# Altium PCB LightLink_V3 - Copy.PcbDoc (part 1 of 3)
Units mm, origin at the board's own origin, x right, y up, seen from the top; angles counter-clockwise.
Board outline 322.5 x 227.5 mm, 2 copper layers (Top Layer, Bottom Layer); 300 components, 236 nets, 1372 pads, 120 vias.
Unrouted connection lines stored in the file: 569.
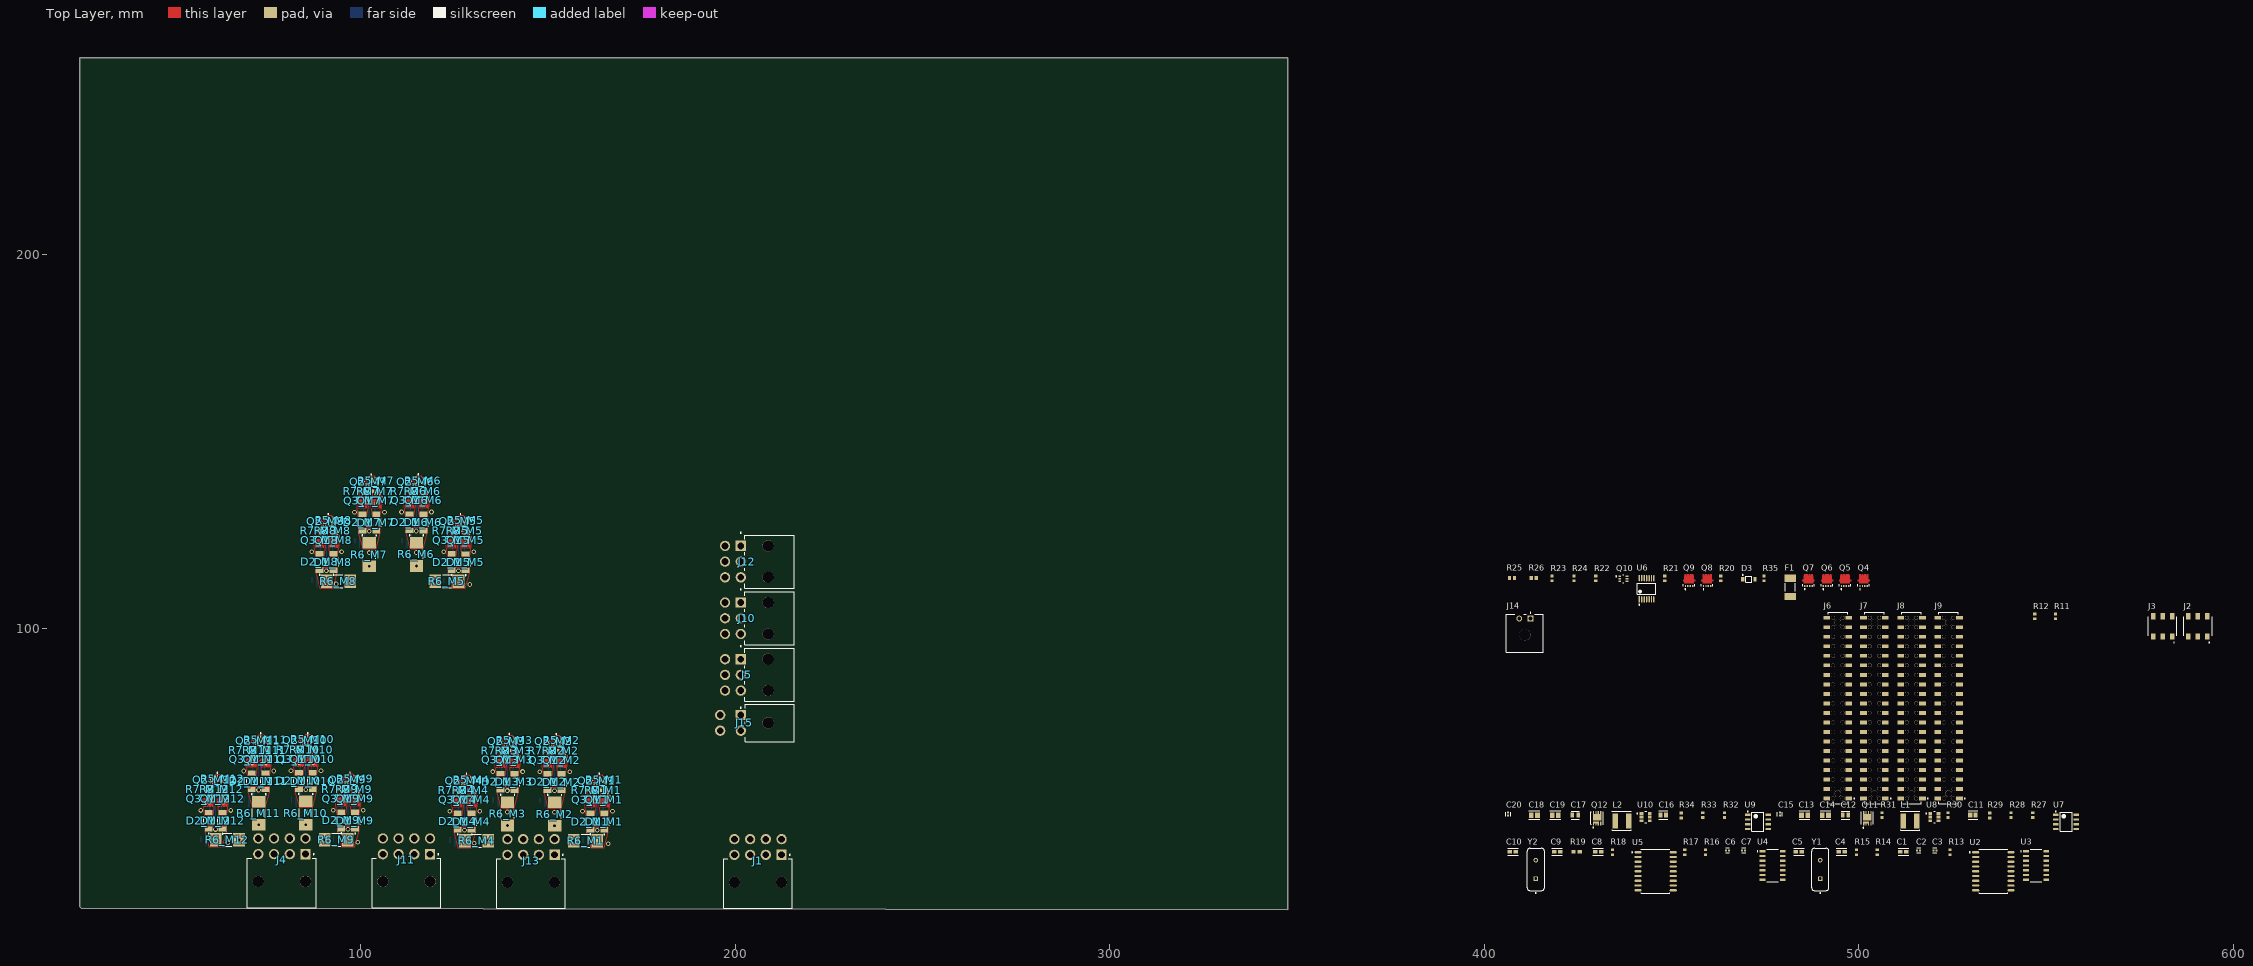
[diagram p0: Top Layer view]
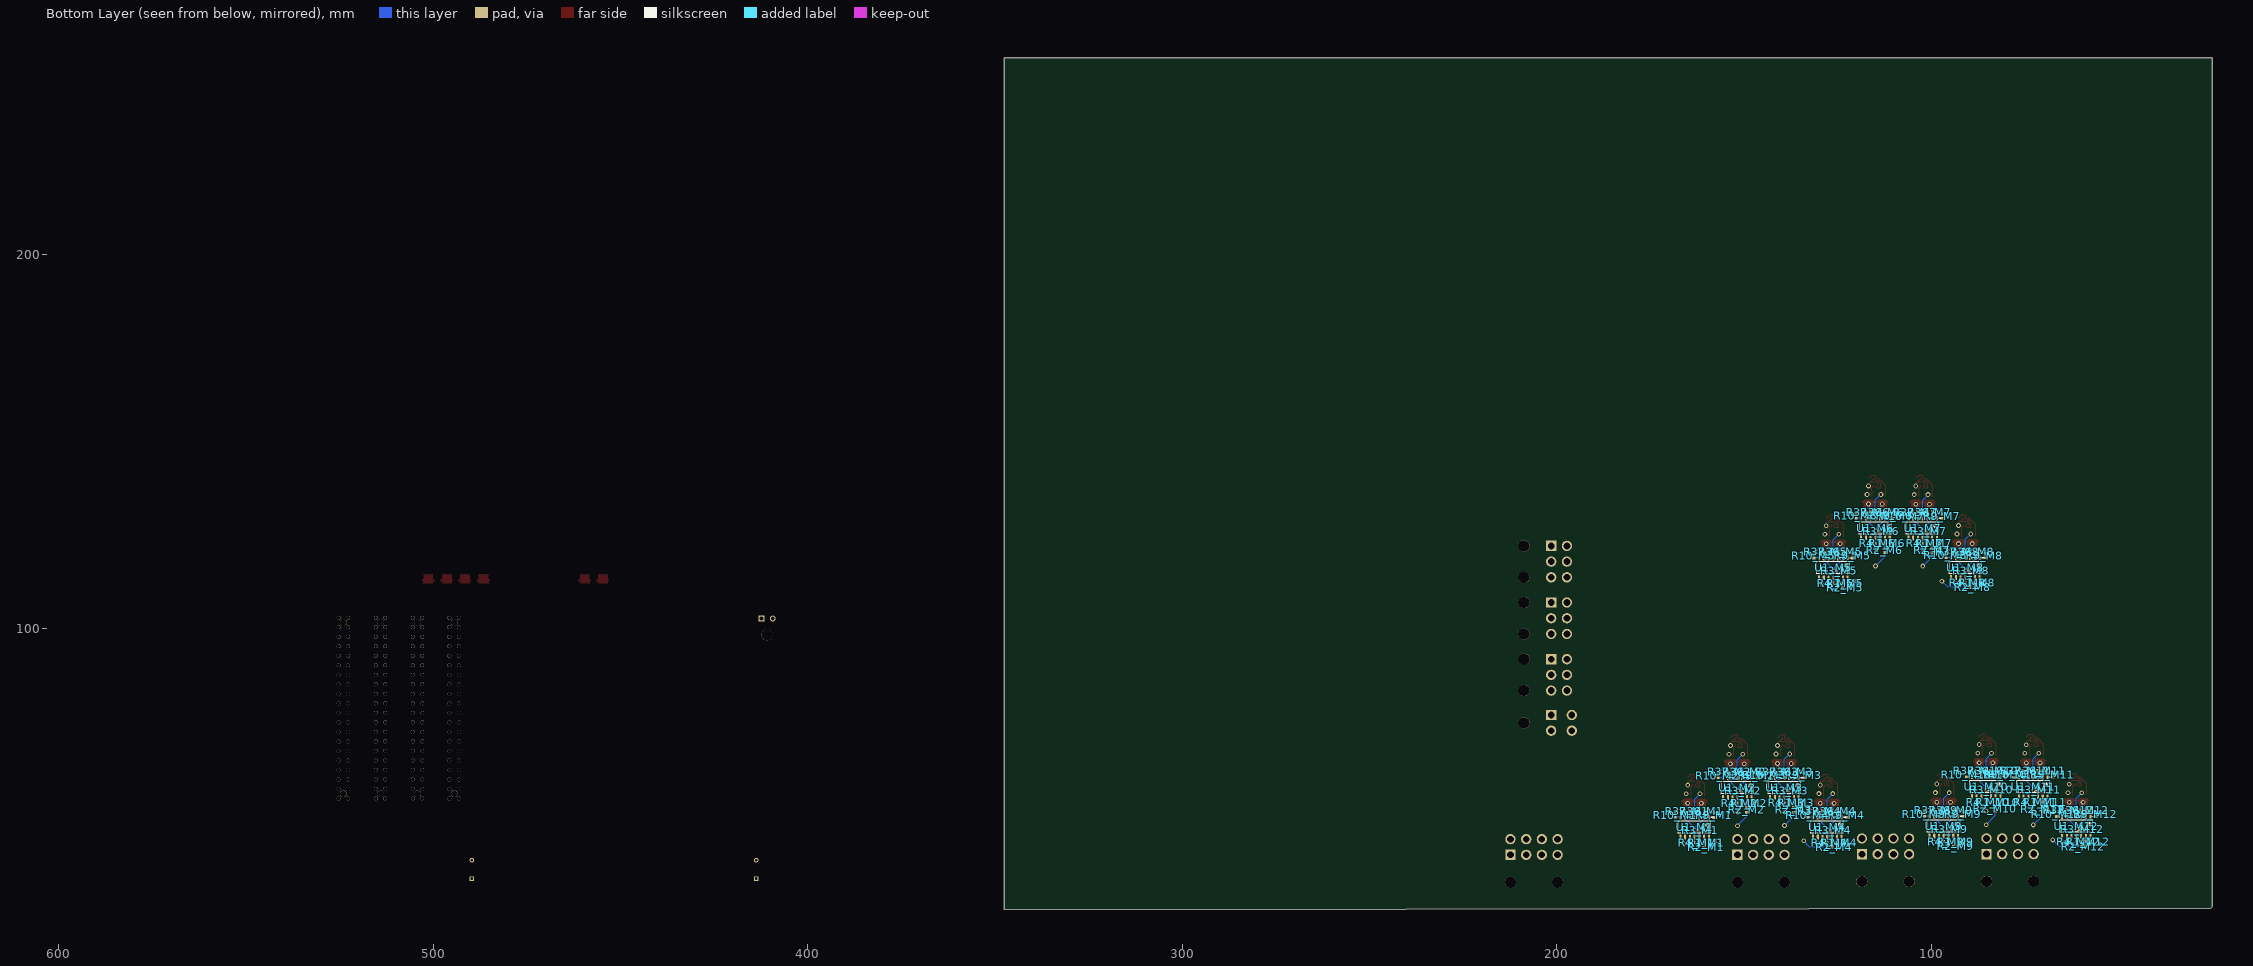
[diagram p1: Bottom Layer view, seen from below]

## Layer stack, top to bottom
Top Solder: solder mask 0.0102, Solder Resist, Dk 3.5
Top Layer: signal copper 0.0356
Dielectric 1: dielectric 0.32, FR-4, Dk 4.8
Bottom Layer: signal copper 0.0356
Bottom Solder: solder mask 0.0102, Solder Resist, Dk 3.5

## Board outline
25.4,25.4 25,25.8 25,252.5 347.5,252.5 347.5,25

## Design rules (kind name [scope] priority, off if disabled: settings)
BoardOutlineClearance [All] p1: gap=0.2 ignorepadtopadclearanceinfootprint=FALSE
Clearance [All] p1: gap=0.102 ignorepadtopadclearanceinfootprint=FALSE except(0.127: Arc-Via Track-Via SMDPad-Via THPad-Via Via-Via Via-Fill Via-Poly Via-Region Via-Text; 0.25: Arc-Hole Track-Hole SMDPad-Hole THPad-Hole Via-Hole Fill-Hole Poly-Hole Region-Hole Text-Hole)
ComponentClearance [All] p1: gap=0.102 collisioncheckmode=3 verticalgap=0.102 showdistances=TRUE
DiffPairsRouting [All] p1: maxlimit=0.102 minlimit=0.102 mostfreqgap=0.102 toplayer_minwidth=0.102 toplayer_maxwidth=1816.048 toplayer_prefwidth=0.102 bottomlayer_minwidth=0.102 bottomlayer_maxwidth=1816.048 bottomlayer_prefwidth=0.102 maxuncoupledlength=12.7
Height [All] p1: minheight=0 maxheight=1816.048 prefheight=12.7
HoleSize [All] p1: absolutevalues=TRUE maxlimit=6.3 minlimit=0.2 maxpercent=80.000 minpercent=20.000
HoleToHoleClearance [All] p1: gap=0.25 allowstackedmicrovias=FALSE
MinimumAnnularRing [All] p1: minimumring=0.076
MinimumSolderMaskSliver [All] p1: minsoldermaskwidth=0
PlaneClearance [All] p1: clearance=0.102
PlaneConnect PlaneConnectPowerPads [InPadClass('PowerPads')] p1: planeconnectstyle=Direct reliefexpansion=0.508 reliefentries=4 reliefconductorwidth=0.254 reliefairgap=0.254
PlaneConnect [All] p2: pad.planeconnectstyle=Relief pad.reliefexpansion=0.3 pad.reliefentries=4 pad.reliefconductorwidth=0.102 pad.reliefairgap=0.102 via.planeconnectstyle=Direct via.reliefexpansion=0.3 via.reliefentries=4 via.reliefconductorwidth=0.127 via.reliefairgap=0.127
PolygonConnect PolygonConnectPowerPads [All vs (InPadClass('PowerPads'))] p1: connectstyle=Direct reliefconductorwidth=0.254 reliefentries=4 polygonreliefangle="90 Angle" airgapwidth=0.254
PolygonConnect [All] p2: connectstyle=Direct reliefconductorwidth=0.102 reliefentries=4 polygonreliefangle="90 Angle" airgapwidth=0.102
RoutingVias [All] p1: holewidth=0.2 width=0.45 viastyle="Through Hole" minholewidth=0.2 minwidth=0.45 maxholewidth=6.3 maxwidth=6.55
SilkToSilkClearance [All] p1: silktosilkclearance=0
SilkToSolderMaskClearance [IsPad] p1: minsilkscreentomaskgap=0.102 clearancetoexposedcopper=TRUE
SolderMaskExpansion [All] p1: expansion=0.075 istentingtop=FALSE
Width [All] p1: maxlimit=1816.048 minlimit=0.102 preferedwidth=0.102
20 further rules are at their usual default settings.

## Classes and differential pairs
component class PWR_MGMT: D3 F1 Q4 Q5 Q6 Q7 Q8 Q9 Q10 R20 R21 R22 R23 R24 R25 R26 R35 U6
component class INTERNAL_REGULATORS: C11 C12 C13 C14 C15 C16 C17 C18 C19 C20 L1 L2 Q11 Q12 R27 R28 R29 R30 R31 R32 R33 R34 U7 U8 U9 U10
component class CAN: C1 C2 C3 C4 C5 C6 C7 C8 C9 C10 R13 R14 R15 R16 R17 R18 R19 U2 U3 U4 U5 Y1 Y2
channel class MOSFET: M1 M2 M3 M4 M5 M6 M7 M8 M9 M10 M11 M12
component class M12: D1_M12 D2_M12 Q1_M12 Q2_M12 Q3_M12 R1_M12 R2_M12 R3_M12 R4_M12 R5_M12 R6_M12 R7_M12 R8_M12 R9_M12 R10_M12 R36_M12 R37_M12 U1_M12
component class M11: D1_M11 D2_M11 Q1_M11 Q2_M11 Q3_M11 R1_M11 R2_M11 R3_M11 R4_M11 R5_M11 R6_M11 R7_M11 R8_M11 R9_M11 R10_M11 R36_M11 R37_M11 U1_M11
component class M10: D1_M10 D2_M10 Q1_M10 Q2_M10 Q3_M10 R1_M10 R2_M10 R3_M10 R4_M10 R5_M10 R6_M10 R7_M10 R8_M10 R9_M10 R10_M10 R36_M10 R37_M10 U1_M10
component class M9: D1_M9 D2_M9 Q1_M9 Q2_M9 Q3_M9 R1_M9 R2_M9 R3_M9 R4_M9 R5_M9 R6_M9 R7_M9 R8_M9 R9_M9 R10_M9 R36_M9 R37_M9 U1_M9
component class M8: D1_M8 D2_M8 Q1_M8 Q2_M8 Q3_M8 R1_M8 R2_M8 R3_M8 R4_M8 R5_M8 R6_M8 R7_M8 R8_M8 R9_M8 R10_M8 R36_M8 R37_M8 U1_M8
component class M7: D1_M7 D2_M7 Q1_M7 Q2_M7 Q3_M7 R1_M7 R2_M7 R3_M7 R4_M7 R5_M7 R6_M7 R7_M7 R8_M7 R9_M7 R10_M7 R36_M7 R37_M7 U1_M7
component class M6: D1_M6 D2_M6 Q1_M6 Q2_M6 Q3_M6 R1_M6 R2_M6 R3_M6 R4_M6 R5_M6 R6_M6 R7_M6 R8_M6 R9_M6 R10_M6 R36_M6 R37_M6 U1_M6
component class M5: D1_M5 D2_M5 Q1_M5 Q2_M5 Q3_M5 R1_M5 R2_M5 R3_M5 R4_M5 R5_M5 R6_M5 R7_M5 R8_M5 R9_M5 R10_M5 R36_M5 R37_M5 U1_M5
component class M4: D1_M4 D2_M4 Q1_M4 Q2_M4 Q3_M4 R1_M4 R2_M4 R3_M4 R4_M4 R5_M4 R6_M4 R7_M4 R8_M4 R9_M4 R10_M4 R36_M4 R37_M4 U1_M4
component class M3: D1_M3 D2_M3 Q1_M3 Q2_M3 Q3_M3 R1_M3 R2_M3 R3_M3 R4_M3 R5_M3 R6_M3 R7_M3 R8_M3 R9_M3 R10_M3 R36_M3 R37_M3 U1_M3
component class M2: D1_M2 D2_M2 Q1_M2 Q2_M2 Q3_M2 R1_M2 R2_M2 R3_M2 R4_M2 R5_M2 R6_M2 R7_M2 R8_M2 R9_M2 R10_M2 R36_M2 R37_M2 U1_M2
component class M1: D1_M1 D2_M1 Q1_M1 Q2_M1 Q3_M1 R1_M1 R2_M1 R3_M1 R4_M1 R5_M1 R6_M1 R7_M1 R8_M1 R9_M1 R10_M1 R36_M1 R37_M1 U1_M1
component class LightLink_V3: J1 J2 J3 J4 J5 J6 J7 J8 J9 J10 J11 J12 J13 J14 J15 R11 R12
differential pair CAN: +CAN_P -CAN_N

## Components (designator, comment, footprint, x,y, rotation, side; value= is the part's Value field where it differs from the comment)
C1 "GRM188R60J106ME47D" FP-GRM188-0_1-e0_2_0_55-IPC_A 511.937,40.513 r0 top
C2 "C0402C104K8PACTU" FP-C0402-BB-MFG 516.001,40.894 r0 top value="0.10 μF"
C3 "C0402C104K8PACTU" FP-C0402-BB-MFG 520.319,40.894 r0 top value="0.10 μF"
C4 "GRM188R60J106ME47D" FP-GRM188-0_1-e0_2_0_55-IPC_A 495.427,40.513 r0 top
C5 "GRM188R60J106ME47D" FP-GRM188-0_1-e0_2_0_55-IPC_A 483.997,40.513 r0 top
C6 "C0402C104K8PACTU" FP-C0402-BB-MFG 464.947,40.894 r0 top value="0.10 μF"
C7 "C0402C104K8PACTU" FP-C0402-BB-MFG 469.265,40.894 r0 top value="0.10 μF"
C8 "GRM188R60J106ME47D" FP-GRM188-0_1-e0_2_0_55-IPC_A 430.403,40.513 r0 top
C9 "GRM188R60J106ME47D" FP-GRM188-0_1-e0_2_0_55-IPC_A 419.481,40.513 r0 top
C10 "GRM188R60J106ME47D" FP-GRM188-0_1-e0_2_0_55-IPC_A 407.67,40.513 r0 top
C11 "08055C222JAT2A" FP-0805-L_2_01_0_2-W_1_25-IPC_C 530.479,50.292 r0 top
C12 "C0805C106K8PACTU" FP-C0805C-DG-MFG 496.443,50.292 r0 top value=10uF
C13 "GRM21BR61E226ME44L" FP-GRM21B-0_2-e0_2_0_7-IPC_B 485.521,50.292 r0 top
C14 "GRM21BR61E226ME44L" FP-GRM21B-0_2-e0_2_0_7-IPC_B 491.109,50.292 r0 top
C15 "C0402C104K8PACTU" FP-C0402-BB-MFG 478.917,50.546 r90 top value="0.10 μF"
C16 "08055C222JAT2A" FP-0805-L_2_01_0_2-W_1_25-IPC_C 447.802,50.292 r0 top
C17 "C0805C106K8PACTU" FP-C0805C-DG-MFG 424.307,50.292 r0 top value=10uF
C18 "GRM21BR61E226ME44L" FP-GRM21B-0_2-e0_2_0_7-IPC_B 413.385,50.292 r0 top
C19 "GRM21BR61E226ME44L" FP-GRM21B-0_2-e0_2_0_7-IPC_B 418.973,50.292 r0 top
C20 "C0402C104K8PACTU" FP-C0402-BB-MFG 406.4,50.546 r90 top value="0.10 μF"
D1_M1 "PMEG3050EP,115" FP-SOD128-MFG 165.036,48.569 r90 top (schematic designator D1)
D1_M2 "PMEG3050EP,115" FP-SOD128-MFG 153.606,59.118 r90 top (schematic designator D1)
D1_M3 "PMEG3050EP,115" FP-SOD128-MFG 141.046,59.157 r90 top (schematic designator D1)
D1_M4 "PMEG3050EP,115" FP-SOD128-MFG 129.603,48.577 r90 top (schematic designator D1)
D1_M5 "PMEG3050EP,115" FP-SOD128-MFG 127.998,117.835 r90 top (schematic designator D1)
D1_M6 "PMEG3050EP,115" FP-SOD128-MFG 116.734,128.464 r90 top (schematic designator D1)
D1_M7 "PMEG3050EP,115" FP-SOD128-MFG 104.148,128.422 r90 top (schematic designator D1)
D1_M8 "PMEG3050EP,115" FP-SOD128-MFG 92.718,117.881 r90 top (schematic designator D1)
D1_M9 "PMEG3050EP,115" FP-SOD128-MFG 98.501,48.845 r90 top (schematic designator D1)
D1_M10 "PMEG3050EP,115" FP-SOD128-MFG 87.198,59.386 r90 top (schematic designator D1)
D1_M11 "PMEG3050EP,115" FP-SOD128-MFG 74.612,59.328 r90 top (schematic designator D1)
D1_M12 "PMEG3050EP,115" FP-SOD128-MFG 63.106,48.797 r90 top (schematic designator D1)
D2_M1 "PMEG3050EP,115" FP-SOD128-MFG 161.328,48.594 r90 top (schematic designator D2)
D2_M2 "PMEG3050EP,115" FP-SOD128-MFG 149.898,59.144 r90 top (schematic designator D2)
D2_M3 "PMEG3050EP,115" FP-SOD128-MFG 137.338,59.182 r90 top (schematic designator D2)
D2_M4 "PMEG3050EP,115" FP-SOD128-MFG 125.895,48.603 r90 top (schematic designator D2)
D2_M5 "PMEG3050EP,115" FP-SOD128-MFG 124.29,117.861 r90 top (schematic designator D2)
D2_M6 "PMEG3050EP,115" FP-SOD128-MFG 113.026,128.49 r90 top (schematic designator D2)
D2_M7 "PMEG3050EP,115" FP-SOD128-MFG 100.439,128.447 r90 top (schematic designator D2)
D2_M8 "PMEG3050EP,115" FP-SOD128-MFG 89.009,117.906 r90 top (schematic designator D2)
D2_M9 "PMEG3050EP,115" FP-SOD128-MFG 94.793,48.871 r90 top (schematic designator D2)
D2_M10 "PMEG3050EP,115" FP-SOD128-MFG 83.49,59.412 r90 top (schematic designator D2)
D2_M11 "PMEG3050EP,115" FP-SOD128-MFG 70.904,59.354 r90 top (schematic designator D2)
D2_M12 "PMEG3050EP,115" FP-SOD128-MFG 59.397,48.823 r90 top (schematic designator D2)
D3 "MMSZ5242BT1G" ONSC-SOD-123-2-425-04_V 470.662,113.284 r0 top
F1 "0679L9150-01" FP-0679L-MFG 481.711,111.125 r90 top value=0.0038Ω
J1 "45586-0005" FP-45586-0005-MFG 206.071,32.185 r180 top
J2 "HLE-103-02-L-DV-BE-TR" SAMTEC_HLE-103-02-L-DV-BE-TR 590.55,100.711 r0 top
J3 "HLE-103-02-L-DV-BE-TR" SAMTEC_HLE-103-02-L-DV-BE-TR 581.152,100.711 r0 top
J4 "45586-0005" FP-45586-0005-MFG 78.944,32.385 r180 top
J5 "455580003" FP-455580003-MFG 208.988,87.748 r270 top
J6 "M20-7812045" FP-M20-7812045-MFG 494.411,78.867 r90 top
J7 "M20-7812045" FP-M20-7812045-MFG 504.19,78.867 r90 top
J8 "M20-7812045" FP-M20-7812045-MFG 514.096,78.867 r90 top
J9 "M20-7812045" FP-M20-7812045-MFG 524.002,78.867 r90 top
J10 "455580003" FP-455580003-MFG 208.988,102.87 r270 top
J11 "45586-0005" FP-45586-0005-MFG 112.209,32.369 r180 top
J12 "455580003" FP-455580003-MFG 208.988,117.992 r270 top
J13 "45586-0005" FP-45586-0005-MFG 145.465,32.185 r180 top
J14 "43650-0201" FP-43650-0201-MFG 410.845,98.806 r0 top
J15 "172448-0004" FP-39-30-1041-MFG 209.042,74.93 r90 top
L1 "NR5040T4R7N" FP-NR5040-H_4_1-MFG 513.715,48.768 r0 top
L2 "NR5040T4R7N" FP-NR5040-H_4_1-MFG 436.753,48.768 r0 top
Q1_M1 "SISH615ADN-T1-GE3" SISH615ADN-T1-GE3-Footprint-1 165.094,53.993 r180 top (schematic designator Q1)
Q1_M2 "SISH615ADN-T1-GE3" SISH615ADN-T1-GE3-Footprint-1 153.664,64.543 r180 top (schematic designator Q1)
Q1_M3 "SISH615ADN-T1-GE3" SISH615ADN-T1-GE3-Footprint-1 141.104,64.581 r180 top (schematic designator Q1)
Q1_M4 "SISH615ADN-T1-GE3" SISH615ADN-T1-GE3-Footprint-1 129.661,54.002 r180 top (schematic designator Q1)
Q1_M5 "SISH615ADN-T1-GE3" SISH615ADN-T1-GE3-Footprint-1 128.056,123.26 r180 top (schematic designator Q1)
Q1_M6 "SISH615ADN-T1-GE3" SISH615ADN-T1-GE3-Footprint-1 116.792,133.889 r180 top (schematic designator Q1)
Q1_M7 "SISH615ADN-T1-GE3" SISH615ADN-T1-GE3-Footprint-1 104.206,133.846 r180 top (schematic designator Q1)
Q1_M8 "SISH615ADN-T1-GE3" SISH615ADN-T1-GE3-Footprint-1 92.776,123.305 r180 top (schematic designator Q1)
Q1_M9 "SISH615ADN-T1-GE3" SISH615ADN-T1-GE3-Footprint-1 98.559,54.27 r180 top (schematic designator Q1)
Q1_M10 "SISH615ADN-T1-GE3" SISH615ADN-T1-GE3-Footprint-1 87.256,64.811 r180 top (schematic designator Q1)
Q1_M11 "SISH615ADN-T1-GE3" SISH615ADN-T1-GE3-Footprint-1 74.67,64.753 r180 top (schematic designator Q1)
Q1_M12 "SISH615ADN-T1-GE3" SISH615ADN-T1-GE3-Footprint-1 63.164,54.222 r180 top (schematic designator Q1)
Q2_M1 "SSM6N7002KFU,LF" FP-SSOP6-P-0_65A-MFG 163.017,59.461 r270 top (schematic designator Q2)
Q2_M2 "SSM6N7002KFU,LF" FP-SSOP6-P-0_65A-MFG 151.587,70.011 r270 top (schematic designator Q2)
Q2_M3 "SSM6N7002KFU,LF" FP-SSOP6-P-0_65A-MFG 139.028,70.049 r270 top (schematic designator Q2)
Q2_M4 "SSM6N7002KFU,LF" FP-SSOP6-P-0_65A-MFG 127.584,59.47 r270 top (schematic designator Q2)
Q2_M5 "SSM6N7002KFU,LF" FP-SSOP6-P-0_65A-MFG 125.98,128.728 r270 top (schematic designator Q2)
Q2_M6 "SSM6N7002KFU,LF" FP-SSOP6-P-0_65A-MFG 114.715,139.357 r270 top (schematic designator Q2)
Q2_M7 "SSM6N7002KFU,LF" FP-SSOP6-P-0_65A-MFG 102.129,139.314 r270 top (schematic designator Q2)
Q2_M8 "SSM6N7002KFU,LF" FP-SSOP6-P-0_65A-MFG 90.699,128.773 r270 top (schematic designator Q2)
Q2_M9 "SSM6N7002KFU,LF" FP-SSOP6-P-0_65A-MFG 96.482,59.738 r270 top (schematic designator Q2)
Q2_M10 "SSM6N7002KFU,LF" FP-SSOP6-P-0_65A-MFG 85.179,70.279 r270 top (schematic designator Q2)
Q2_M11 "SSM6N7002KFU,LF" FP-SSOP6-P-0_65A-MFG 72.593,70.221 r270 top (schematic designator Q2)
Q2_M12 "SSM6N7002KFU,LF" FP-SSOP6-P-0_65A-MFG 61.087,59.69 r270 top (schematic designator Q2)
Q3_M1 "SISH615ADN-T1-GE3" SISH615ADN-T1-GE3-Footprint-1 161.411,53.993 r180 top (schematic designator Q3)
Q3_M2 "SISH615ADN-T1-GE3" SISH615ADN-T1-GE3-Footprint-1 149.981,64.543 r180 top (schematic designator Q3)
Q3_M3 "SISH615ADN-T1-GE3" SISH615ADN-T1-GE3-Footprint-1 137.421,64.581 r180 top (schematic designator Q3)
Q3_M4 "SISH615ADN-T1-GE3" SISH615ADN-T1-GE3-Footprint-1 125.978,54.002 r180 top (schematic designator Q3)
Q3_M5 "SISH615ADN-T1-GE3" SISH615ADN-T1-GE3-Footprint-1 124.373,123.26 r180 top (schematic designator Q3)
Q3_M6 "SISH615ADN-T1-GE3" SISH615ADN-T1-GE3-Footprint-1 113.109,133.889 r180 top (schematic designator Q3)
Q3_M7 "SISH615ADN-T1-GE3" SISH615ADN-T1-GE3-Footprint-1 100.523,133.846 r180 top (schematic designator Q3)
Q3_M8 "SISH615ADN-T1-GE3" SISH615ADN-T1-GE3-Footprint-1 89.093,123.305 r180 top (schematic designator Q3)
Q3_M9 "SISH615ADN-T1-GE3" SISH615ADN-T1-GE3-Footprint-1 94.876,54.27 r180 top (schematic designator Q3)
Q3_M10 "SISH615ADN-T1-GE3" SISH615ADN-T1-GE3-Footprint-1 83.573,64.811 r180 top (schematic designator Q3)
Q3_M11 "SISH615ADN-T1-GE3" SISH615ADN-T1-GE3-Footprint-1 70.987,64.753 r180 top (schematic designator Q3)
Q3_M12 "SISH615ADN-T1-GE3" SISH615ADN-T1-GE3-Footprint-1 59.481,54.222 r180 top (schematic designator Q3)
Q4 "SISH615ADN-T1-GE3" SISH615ADN-T1-GE3-Footprint-1 501.269,112.903 r0 top
Q5 "SISH615ADN-T1-GE3" SISH615ADN-T1-GE3-Footprint-1 496.316,112.903 r0 top
Q6 "SISH615ADN-T1-GE3" SISH615ADN-T1-GE3-Footprint-1 491.49,112.903 r0 top
Q7 "SISH615ADN-T1-GE3" SISH615ADN-T1-GE3-Footprint-1 486.537,112.903 r0 top
Q8 "SISH615ADN-T1-GE3" SISH615ADN-T1-GE3-Footprint-1 459.486,112.903 r0 top
Q9 "SISH615ADN-T1-GE3" SISH615ADN-T1-GE3-Footprint-1 454.66,112.903 r0 top
Q10 "SSM6N7002KFU,LF" FP-SSOP6-P-0_65A-MFG 437.134,113.411 r0 top
Q11 "BSZ036NE2LS" INF-PG-TSDSON-8_FL_V 502.285,49.53 r0 top
Q12 "BSZ036NE2LS" INF-PG-TSDSON-8_FL_V 430.149,49.53 r0 top
R1_M1 "RC0603FR-071ML" RESC1608X55X25LL10T15 160.02,42.977 r180 bottom (schematic designator R1)
R1_M2 "RC0603FR-071ML" RESC1608X55X25LL10T15 148.59,53.527 r180 bottom (schematic designator R1)
R1_M3 "RC0603FR-071ML" RESC1608X55X25LL10T15 136.03,53.565 r180 bottom (schematic designator R1)
R1_M4 "RC0603FR-071ML" RESC1608X55X25LL10T15 124.587,42.986 r180 bottom (schematic designator R1)
R1_M5 "RC0603FR-071ML" RESC1608X55X25LL10T15 122.982,112.243 r180 bottom (schematic designator R1)
R1_M6 "RC0603FR-071ML" RESC1608X55X25LL10T15 111.718,122.873 r180 bottom (schematic designator R1)
R1_M7 "RC0603FR-071ML" RESC1608X55X25LL10T15 99.132,122.83 r180 bottom (schematic designator R1)
R1_M8 "RC0603FR-071ML" RESC1608X55X25LL10T15 87.702,112.289 r180 bottom (schematic designator R1)
R1_M9 "RC0603FR-071ML" RESC1608X55X25LL10T15 93.485,43.254 r180 bottom (schematic designator R1)
R1_M10 "RC0603FR-071ML" RESC1608X55X25LL10T15 82.182,53.795 r180 bottom (schematic designator R1)
R1_M11 "RC0603FR-071ML" RESC1608X55X25LL10T15 69.596,53.736 r180 bottom (schematic designator R1)
R1_M12 "RC0603FR-071ML" RESC1608X55X25LL10T15 58.09,43.205 r180 bottom (schematic designator R1)
R2_M1 "ERJ3EKF1002V" RESC1609X55X30LL15T15 160.02,41.783 r180 bottom (schematic designator R2)
R2_M2 "ERJ3EKF1002V" RESC1609X55X30LL15T15 149.25,51.698 r270 bottom (schematic designator R2)
R2_M3 "ERJ3EKF1002V" RESC1609X55X30LL15T15 136.691,51.736 r270 bottom (schematic designator R2)
R2_M4 "ERJ3EKF1002V" RESC1609X55X30LL15T15 125.857,41.783 r0 bottom (schematic designator R2)
R2_M5 "ERJ3EKF1002V" RESC1609X55X30LL15T15 123.008,110.988 r180 bottom (schematic designator R2)